# KiCad board bugg-panel-r3.kicad_pcb
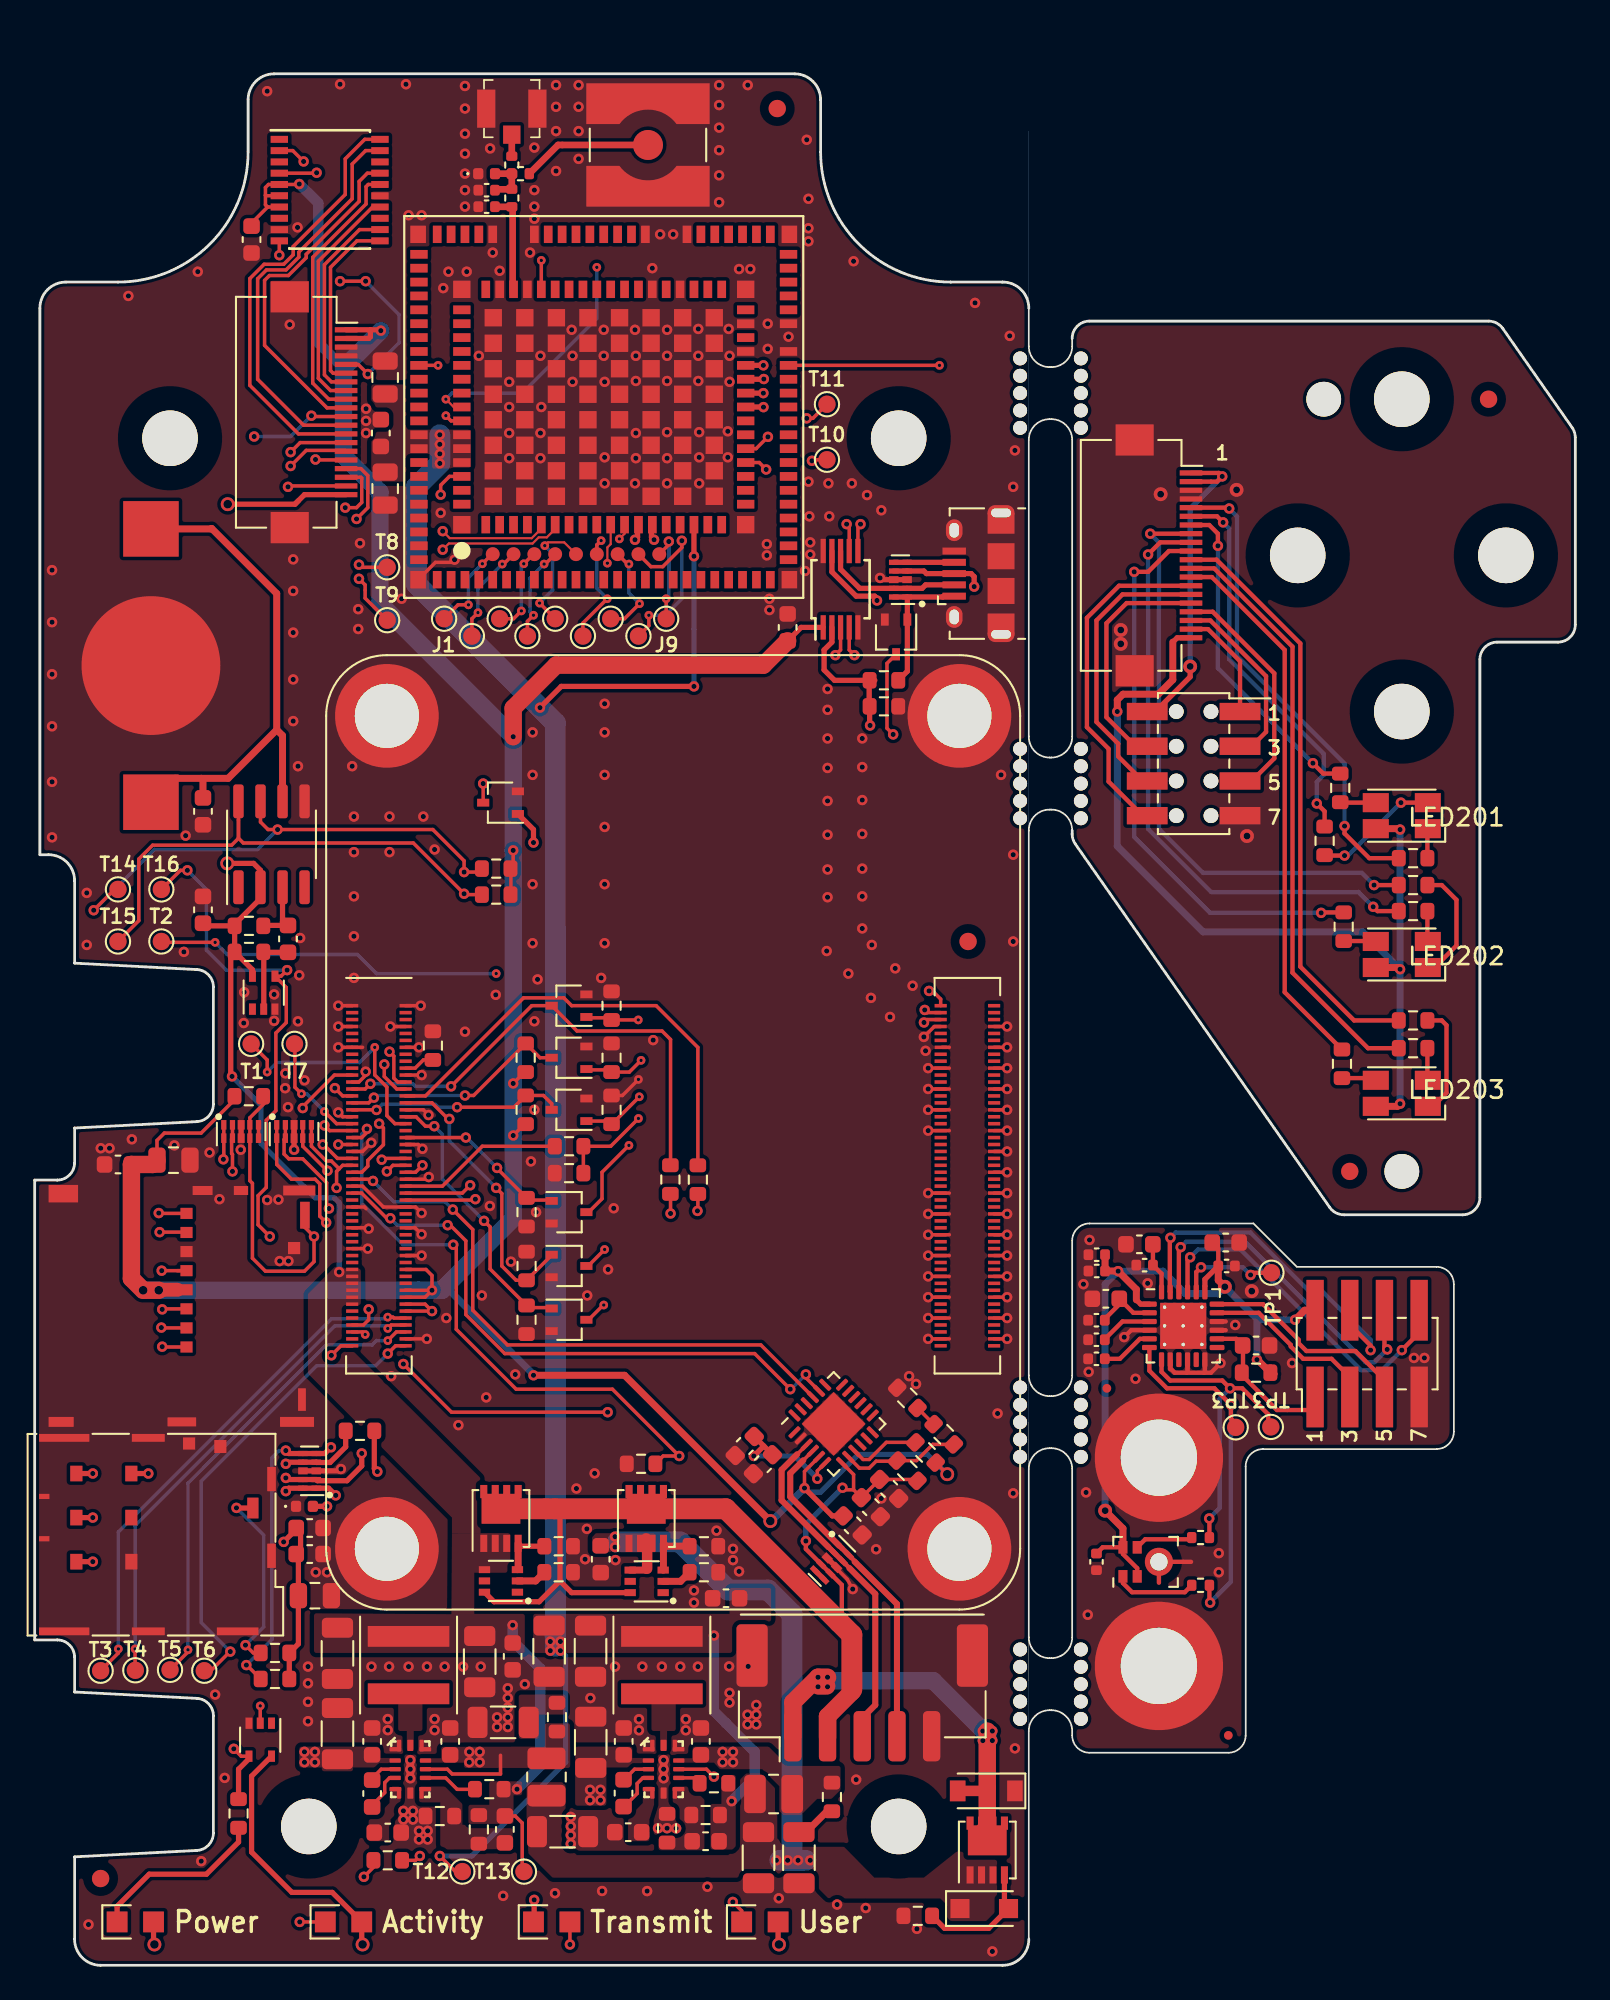
[diagram p0: board, top side]
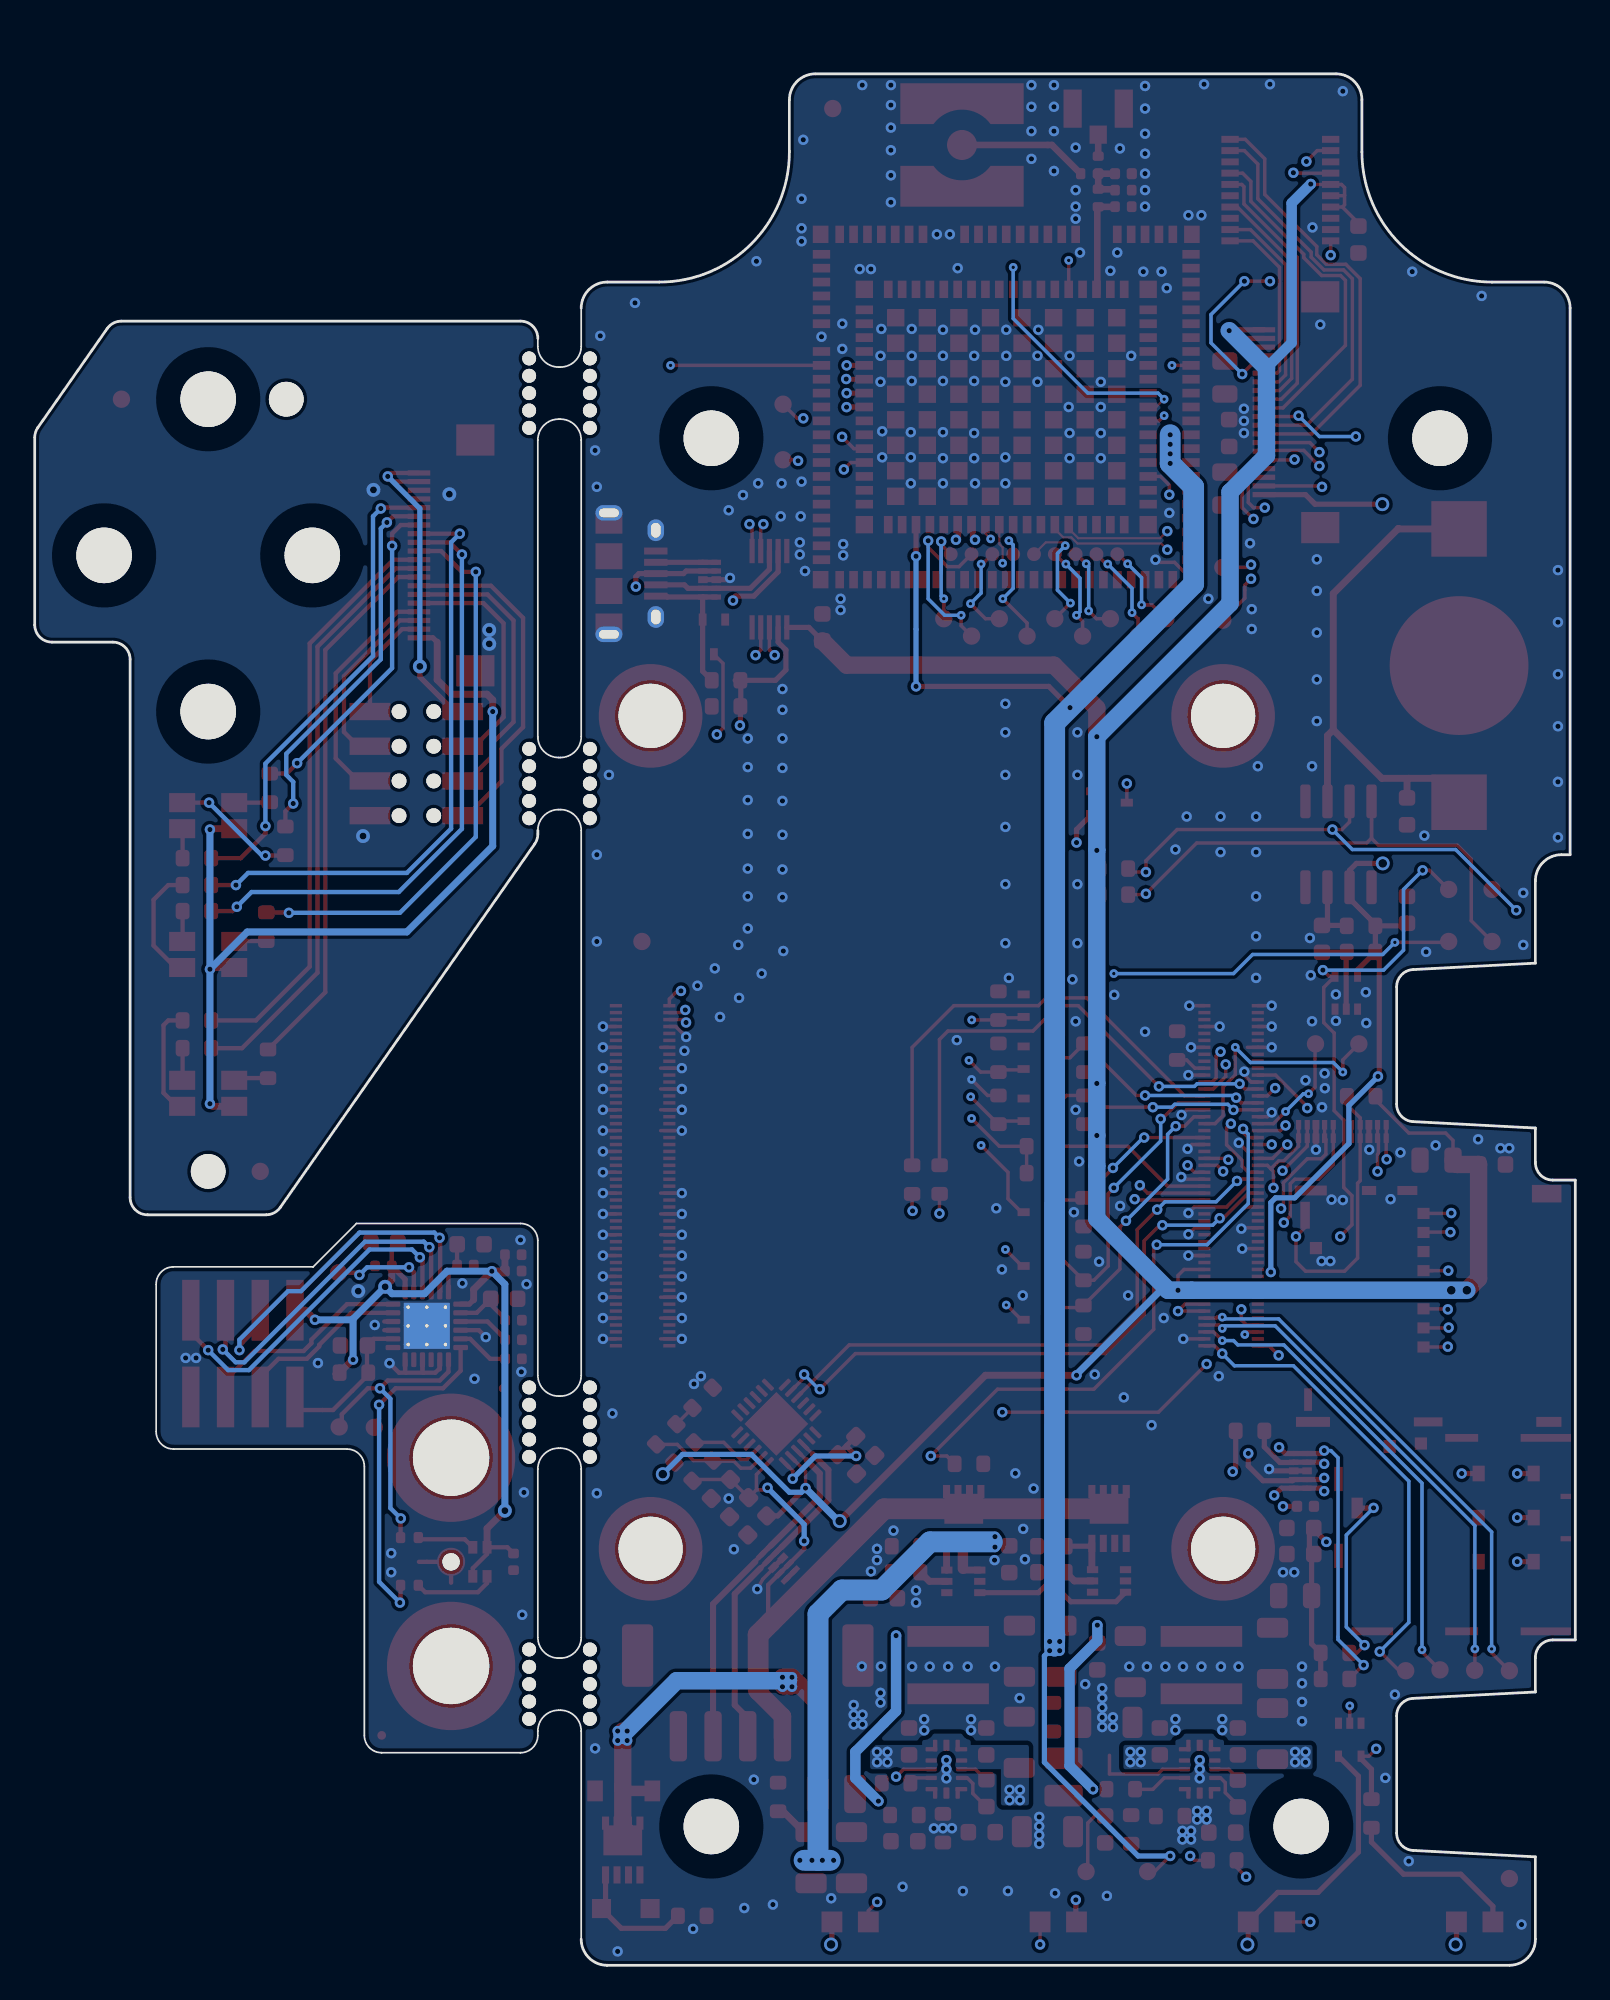
[diagram p1: board, bottom side, seen from below]

Outline 88.8 x 109 mm; copper layers: Top, In1.Cu (plane), In2.Cu, Bottom. Coordinates in mm from the lower left corner of the outline.
Outline path: 57.3,93.3 57.3,95.5 arc(56.86,96.56) 55.8,97 52.8,97 arc(47.5,99.2) 45.3,104.5 45.3,107.5 arc(44.86,108.56) 43.8,109 13.8,109 arc(12.74,108.56) 12.3,107.5 12.3,104.5 arc(10.1,99.2) 4.8,97 1.8,97 arc(0.74,96.56) 0.3,95.5 0.3,64 0.8,64 arc(1.86,63.56) 2.3,62.5 2.3,57.75 9.35,57.38 arc(10.03,57.07) 10.3,56.38 10.3,49.62 arc(10.02,48.93) 9.35,48.62 2.3,48.25 2.3,46.25 arc(2.01,45.54) 1.3,45.25 0,45.25 0,18.75 1.3,18.75 arc(2.01,18.46) 2.3,17.75 2.3,15.75 9.35,15.38 arc(10.03,15.07) 10.3,14.38 10.3,7.62 arc(10.02,6.93) 9.35,6.62 2.3,6.25 2.3,1.5 arc(2.74,0.44) 3.8,0 55.8,0 arc(56.86,0.44) 57.3,1.5 57.3,13.5 ; 57.3,70.8 57.3,87.9 ; 57.3,34 57.3,65.4 ; 57.3,18.9 57.3,28.6 ; 59.8,93.3 59.8,93.75 arc(60.09,94.46) 60.8,94.75 83.8,94.75 arc(84.26,94.64) 84.62,94.32 88.62,88.61 arc(88.75,88.34) 88.8,88.04 88.8,77.25 arc(88.51,76.54) 87.8,76.25 84.3,76.25 arc(83.59,75.96) 83.3,75.25 83.3,44.25 arc(83.01,43.54) 82.3,43.25 75.46,43.25 arc(75,43.36) 74.64,43.68 59.98,64.62 arc(59.85,64.89) 59.8,65.19 ; 59.8,70.8 59.8,87.9 ; 59.8,65.4 59.8,65.19 ; 59.8,34 59.8,41.75 arc(60.09,42.46) 60.8,42.75 70.25,42.75 72.75,40.25 80.8,40.25 arc(81.51,39.96) 81.8,39.25 81.8,30.75 arc(81.51,30.04) 80.8,29.75 70.8,29.75 arc(70.09,29.46) 69.8,28.75 69.8,13.25 arc(69.51,12.54) 68.8,12.25 60.8,12.25 arc(60.09,12.54) 59.8,13.25 59.8,13.5 ; 59.8,18.9 59.8,28.6
Stack: Top 0.035mm / dielectric 0.22mm FR4 er 4.5 / In1.Cu 0.035mm / dielectric 0.99mm FR4 er 4.5 / In2.Cu 0.035mm / dielectric 0.22mm FR4 er 4.5 / Bottom 0.035mm

## Placement (name value [footprint] x y rotation side)
BT1  CR1220  [Keystone-3000-CR1220-CR1216]  6.7 74.9 90 top
C1  220nF  [C_0603_1608Metric]  32.62 23.4 270 top
C2  4.7uF  [C_1206_3216Metric]  30.43 7.7 0 top
C3  220nF  [C_0603_1608Metric]  33.95 12.9 90 top
C4  220nF  [C_0603_1608Metric]  23.95 12.9 90 top
C5  4.7uF  [C_1206_3216Metric]  32.05 12.85 90 top
C6  4.7uF  [C_1206_3216Metric]  17.45 13.35 90 top
C7  1uF  [C_0603_1608Metric]  20.35 7.65 180 top
C8  1uF  [C_0603_1608Metric]  34.21 7.67 0 top
C9  100nF  [C_0603_1608Metric]  19.45 9.9 270 top
C10  100nF  [C_0603_1608Metric]  33.94 9.92 90 top
C11  18pF  [C_0603_1608Metric]  27.1 7.83 270 top
C12  15pF  [C_0603_1608Metric]  38.67 7.15 180 top
C13  47uF  [C_1206_3216Metric]  25.65 17.5 270 top
C14  47uF  [C_1206_3216Metric]  29.65 18.1 270 top
C15  47uF  [C_1206_3216Metric]  17.45 17.98 270 top
C16  47uF  [C_1206_3216Metric]  32.04 18.1 270 top
C17  100nF  [C_0603_1608Metric]  27.55 17.8 270 top
C18  100nF  [C_0603_1608Metric]  39.85 21.15 180 top
C19  DNP  [C_0402_1005Metric]  26.05 102.3 0 top
C20  DNP  [C_0402_1005Metric]  26.05 101.34 180 top
C21  15pF  [C_0603_1608Metric]  19.95 88.3 90 top
C22  47uF  [C_0805_2012Metric]  20.2 91.5 90 top
C23  47uF  [C_0805_2012Metric]  20.2 85.1 270 top
C24  DNP 4.7uF  [C_0805_2012Metric]  16.15 21.3 0 top
C26  100nF  [C_0603_1608Metric]  15.85 25.2 0 top
C28  1nF  [C_0603_1608Metric]  15.85 23.7 0 top
C29  47uF  [C_0805_2012Metric]  8 46.4 0 top
C30  100nF  [C_0603_1608Metric]  4.8 46.15 180 top
C31  1uF  [C_0603_1608Metric]  40.93 29.93 225 top
C32  100nF  [C_0603_1608Metric]  41.98 28.88 225 top
C33  100nF  [C_0603_1608Metric]  47.15 25.35 315 top
C34  100nF  [C_0603_1608Metric]  9.7 66.5 270 top
C35  100nF  [C_0603_1608Metric]  9.7 60.83 90 top
C36  100nF  [C_0603_1608Metric]  14.6 59.15 90 top
C37  100nF  [C_0603_1608Metric]  43.4 77.1 270 top
C38  100nF  [C_0603_1608Metric]  12.5 99.45 90 top
C39  100nF  [C_0603_1608Metric]  49.25 27.45 315 top
C40  1uF  [C_0603_1608Metric]  48.2 26.4 315 top
C41  220nF  [C_0603_1608Metric]  38.4 12.9 90 top
C42  220nF  [C_0603_1608Metric]  19.45 12.9 90 top
C43  4.7uF  [C_1206_3216Metric]  41.72 6.2 270 top
C44  4.7uF  [C_1206_3216Metric]  27 14 180 top
C45  4.7uF  [C_1206_3216Metric]  44.05 6.2 270 top
C101  100nF  [C_0402_1005Metric]  61.2 23.25 270 top
C102  1uF  [C_0402_1005Metric]  61.2 34.95 0 top
C103  1uF  [C_0402_1005Metric]  61.2 36.05 0 top
C104  10uF  [C_0603_1608Metric]  61.74 38.41 0 top
C105  100nF  [C_0402_1005Metric]  61.2 37.17 0 top
C106  1uF  [C_0402_1005Metric]  61.22 40.95 0 top
C107  100nF  [C_0402_1005Metric]  61.22 40.01 0 top
C108  10uF  [C_0603_1608Metric]  63.67 41.55 0 top
C109  100nF  [C_0402_1005Metric]  63.97 40.35 0 top
C110  10uF  [C_0603_1608Metric]  68.65 41.65 0 top
C111  100nF  [C_0402_1005Metric]  68.7 40.3 0 top
C112  1uF  [C_0603_1608Metric]  70.4 35.72 180 top
D1  LG R971-KN-1  [CHIPLED-0805]  17.8 2.5 0 top
D2  LH R974-LP-1  [CHIPLED-0805]  5.8 2.5 0 top
D3  LO R976-PS-1  [CHIPLED-0805]  29.8 2.5 0 top
D4  ATV02W360B-HF  [D_SOD-123]  54.85 10.05 180 top
D5  12V  [D_SOD-123F]  54.73 3.27 0 top
D6  0402ESDA-MLP1  [D_0402_1005Metric]  15.55 26.45 0 top
D7  LY R976-PS-36  [CHIPLED-0805]  41.8 2.5 0 top
D9  0402ESDA-MLP1  [D_0402_1005Metric]  26.05 103.25 0 top
FB1  1uH  [L_1008_2520Metric]  42.59 9.87 0 top
FB2  1uH  [L_1008_2520Metric]  29.5 10.85 90 top
FID1  Fiducial  [Fiducial_1mm_Mask2mm]  83.8 90.25 180 top
FID1#2  Fiducial  [Fiducial_1mm_Mask2mm]  42.8 107 0 top
FID1#3  Fiducial  [Fiducial_0.5mm_Mask1mm]  61.8 33.25 90 top
FID2  Fiducial  [Fiducial_1mm_Mask2mm]  75.8 45.75 180 top
FID2#2  Fiducial  [Fiducial_1mm_Mask2mm]  3.8 5 0 top
FID2#3  Fiducial  [Fiducial_0.5mm_Mask1mm]  68.8 13.25 90 top
FID3  Fiducial  [Fiducial_1mm_Mask2mm]  53.8 59 0 top
H1  -  [MountingHole_3.2mm_M3_DIN965]  7.8 88 0 top
H2  -  [MountingHole_3.2mm_M3_DIN965]  49.8 88 0 top
H3  -  [MountingHole_3.2mm_M3_DIN965]  49.8 8 0 top
H4  -  [MountingHole_3.2mm_M3_DIN965]  15.8 8 0 top
H101  wurth-spacer-WA-SMSI-9774070360  [Mounting_Wuerth_WA-SMSI-M3_H7mm_9774070360]  64.8 17.25 90 top
H102  wurth-spacer-WA-SMSI-9774070360  [Mounting_Wuerth_WA-SMSI-M3_H7mm_9774070360]  64.8 29.25 90 top
H201  -  [MountingHole_3.2mm_M3_DIN965]  72.8 81.25 180 bottom
H202  -  [MountingHole_3.2mm_M3_DIN965]  84.8 81.25 180 bottom
H203  -  [MountingHole_3.2mm_M3_DIN965]  78.8 90.25 180 bottom
H204  -  [MountingHole_3.2mm_M3_DIN965]  78.8 72.25 180 bottom
H205  MountingHole  [unnamed]  74.3 90.25 180 bottom
H206  MountingHole  [unnamed]  78.8 45.75 180 bottom
J1  -  [TestPoint_Pad_D1.0mm]  23.6 77.6 180 top
J2  -  [TestPoint_Pad_D1.0mm]  25.2 76.6 180 top
J3  -  [TestPoint_Pad_D1.0mm]  26.8 77.6 180 top
J4  -  [TestPoint_Pad_D1.0mm]  28.4 76.6 180 top
J5  -  [TestPoint_Pad_D1.0mm]  30 77.6 180 top
J6  -  [TestPoint_Pad_D1.0mm]  31.6 76.6 180 top
J7  -  [TestPoint_Pad_D1.0mm]  33.2 77.6 180 top
J8  -  [TestPoint_Pad_D1.0mm]  34.8 76.6 180 top
J9  -  [TestPoint_Pad_D1.0mm]  36.4 77.6 180 top
J10  502443-0560  [Molex_CLIK-Mate_502443-0570_1x05-1MP_P2.00mm_Vertical]  47.7 15.7 0 top
J11  SMA  [SMA_Amphenol_132134-10_Vertical]  35.35 104.9 180 top
J12  U_FL-R-SMT-1_10_  [Coax_Conn_U.FL]  27.5 107 0 top
J13  -  [JAE_SIM_Card_SF72S006]  4.86 25.8 90 top
J14  Micro_SD_Card_Det_JAE_ST11  [microSD_JAE_ST11S008V4H]  0.8 38 270 top
J15  10118194  [USB_Micro-B_Amphenol_10118194_Horizontal]  54.4 80.2 90 top
J16  FH12A-20S-0.5SH  [Hirose_FH12-20S-0.5SH_1x20-1MP_P0.50mm_Horizontal]  16.1 89.5 270 top
J101  2842142-4  [PinHeader_2x04_P2.00mm_Vertical_SMD_AMPMODU]  76.8 35.25 90 top
J201  2314844-8  [PinSocket_2x04_P2.00mm_Vertical_SMD_Bottom_or_Top_Entry_AMPMODU]  66.8 69.25 0 top
J202  FH12A-20S-0.5SH  [Hirose_FH12-20S-0.5SH_1x20-1MP_P0.50mm_Horizontal]  64.8 81.25 270 top
L1  4.7uH  [L_Coilcraft_XAL5030]  21.55 17.3 90 top
L2  3.3uH  [L_Coilcraft_XAL5030]  36.15 17.3 90 top
LED201  IN-P32TATRGB  [LED_Avago_PLCC4_3.2x2.8mm_CW]  78.8 66.25 180 top
LED202  IN-P32TATRGB  [LED_Avago_PLCC4_3.2x2.8mm_CW]  78.8 58.25 180 top
LED203  IN-P32TATRGB  [LED_Avago_PLCC4_3.2x2.8mm_CW]  78.8 50.25 180 top
MIC101  SPH0641LU4H-1  [Knowles_LGA-5_3.5x2.65mm]  64.03 23.25 90 top
Module1  ComputeModule4-CM4  [Raspberry-Pi-4-Compute-Module-no-holes]  20.3 24 0 top
Q1  Si7113ADN  [Vishay_PowerPAK_1212-8_Single]  26.88 25.75 90 top
Q2  Si7113ADN  [Vishay_PowerPAK_1212-8_Single]  35.25 25.75 90 top
Q3  Si7113ADN  [Vishay_PowerPAK_1212-8_Single]  54.91 6.64 90 top
Q4  NX3008NBKW  [SOT-323_SC-70]  49.65 76.55 270 top
Q5  NX3008NBKW  [SOT-323_SC-70]  30.8 37.2 0 top
Q6  NX3008NBKW  [SOT-323_SC-70]  30.8 40.3 0 top
Q7  NX3008NBKW  [SOT-323_SC-70]  30.8 43.4 0 top
Q8  NX3008NBKW  [SOT-323_SC-70]  26.85 67 180 top
Q9  NX3008NBKW  [SOT-323_SC-70]  30.8 55.3 180 top
Q10  NX3008NBKW  [SOT-323_SC-70]  30.8 49.3 180 top
Q11  NX3008NBKW  [SOT-323_SC-70]  30.8 52.3 180 top
R1  DNP  [R_0603_1608Metric]  26.6 61.7 0 top
R2  DNP  [R_0603_1608Metric]  26.6 63.2 0 top
R3  DNP  [R_0603_1608Metric]  22.95 53 90 top
R4  1k  [R_0603_1608Metric]  20.35 6.05 180 top
R5  1k  [R_0603_1608Metric]  11.75 8.75 270 top
R6  10k  [R_0603_1608Metric]  34.95 28.9 180 top
R7  100k  [R_0603_1608Metric]  30.2 22.65 0 top
R8  100k  [R_0603_1608Metric]  38.58 22.65 0 top
R9  1M  [R_0603_1608Metric]  30.2 24.15 0 top
R10  1M  [R_0603_1608Metric]  38.58 24.15 0 top
R11  100k  [R_0603_1608Metric]  50.9 2.85 180 top
R12  100k  [R_0603_1608Metric]  26.2 10.15 180 top
R13  100k  [R_0603_1608Metric]  39.15 10.49 180 top
R14  100k  [R_0603_1608Metric]  25.6 7.83 270 top
R15  23.7k  [R_0603_1608Metric]  23.35 8.6 180 top
R16  100k  [R_0603_1608Metric]  38.67 8.66 180 top
R17  37.4k  [R_0603_1608Metric]  36.45 7.9 90 top
R18  DNP  [R_0402_1005Metric]  28 103.25 180 top
R19  0R  [R_0402_1005Metric]  27.5 103.75 270 top
R20  0R  [R_0402_1005Metric]  27.5 101.84 270 top
R21  10k  [R_0603_1608Metric]  13.85 18 0 top
R22  DNP 15k  [R_0603_1608Metric]  13.85 16.5 0 top
R23  0R  [R_0603_1608Metric]  18.75 30.8 180 top
R24  100k  [R_0603_1608Metric]  12.34 50.08 180 top
R25  23.7k  [R_0603_1608Metric]  50.3 28.5 135 top
R26  23.7k  [R_0603_1608Metric]  52.4 30.6 135 top
R27  23.7k  [R_0603_1608Metric]  50.3 32.7 135 top
R28  1k  [R_0603_1608Metric]  51.35 29.55 135 top
R29  510k  [R_0603_1608Metric]  12.35 59.9 0 top
R30  510k  [R_0603_1608Metric]  12.35 58.4 0 top
R31  1k  [R_0603_1608Metric]  48.95 74.05 0 top
R32  1k  [R_0603_1608Metric]  48.95 72.55 0 top
R33  10k  [R_0603_1608Metric]  28.35 37.2 270 top
R34  1k  [R_0603_1608Metric]  38.23 45.27 270 top
R35  0.1R  [R_0603_1608Metric]  30.1 14.3 90 top
R36  0.1R  [R_0603_1608Metric]  45.95 9.7 270 top
R37  10k  [R_0603_1608Metric]  28.35 40.3 90 top
R38  10k  [R_0603_1608Metric]  28.35 43.4 270 top
R39  10k  [R_0603_1608Metric]  30.8 47.2 0 top
R40  10k  [R_0603_1608Metric]  30.8 45.65 0 top
R41  10k  [R_0603_1608Metric]  33.25 49.3 90 top
R42  10k  [R_0603_1608Metric]  33.25 52.3 90 top
R43  10k  [R_0603_1608Metric]  33.25 55.3 90 top
R44  1k  [R_0603_1608Metric]  36.64 45.28 90 top
R45  10k  [R_0603_1608Metric]  28.3 49.3 90 top
R46  10k  [R_0603_1608Metric]  28.3 52.3 90 top
R101  22R  [R_0402_1005Metric]  67.2 21.9 0 top
R102  22R  [R_0402_1005Metric]  67.2 24.65 0 top
R103  100k  [R_0603_1608Metric]  70.4 34.15 0 top
R201  22k  [R_0603_1608Metric]  75.25 67.85 270 top
R202  22k  [R_0603_1608Metric]  75.45 59.85 270 top
R203  22k  [R_0603_1608Metric]  75.35 51.95 270 top
R204  39k  [R_0603_1608Metric]  74.35 64.8 270 top
R205  39k  [R_0603_1608Metric]  79.45 60.75 0 top
R206  39k  [R_0603_1608Metric]  79.45 52.85 0 top
R207  10k  [R_0603_1608Metric]  79.45 63.8 0 top
R208  10k  [R_0603_1608Metric]  79.45 62.25 0 top
R209  10k  [R_0603_1608Metric]  79.45 54.45 0 top
REF**  -  [mousebite-2.5mm]  59.8 31.3 90 top
REF**#2  -  [mousebite-2.5mm]  59.8 16.2 90 top
REF**#3  -  [mousebite-2.5mm]  59.8 90.6 90 top
REF**#4  -  [mousebite-2.5mm]  59.8 68.1 90 top
SP1  wurth-spacer-9774030151R  [wurth-spacer-WA-SMSI-9774030151R]  20.3 72 0 top
SP2  wurth-spacer-9774030151R  [wurth-spacer-WA-SMSI-9774030151R]  53.3 72 0 top
SP3  wurth-spacer-9774030151R  [wurth-spacer-WA-SMSI-9774030151R]  53.3 24 0 top
SP4  wurth-spacer-9774030151R  [wurth-spacer-WA-SMSI-9774030151R]  20.3 24 0 top
T1  -  [TestPoint_Pad_D1.0mm]  12.48 53.1 0 top
T2  -  [TestPoint_Pad_D1.0mm]  7.3 59 0 top
T3  -  [TestPoint_Pad_D1.0mm]  3.8 16.98 0 top
T4  -  [TestPoint_Pad_D1.0mm]  5.8 17 0 top
T5  -  [TestPoint_Pad_D1.0mm]  7.8 17.02 0 top
T6  -  [TestPoint_Pad_D1.0mm]  9.78 16.98 0 top
T7  -  [TestPoint_Pad_D1.0mm]  14.98 53.1 0 top
T8  -  [TestPoint_Pad_D1.0mm]  20.32 80.56 0 top
T9  -  [TestPoint_Pad_D1.0mm]  20.32 77.51 0 top
T10  -  [TestPoint_Pad_D1.0mm]  45.67 86.76 0 top
T11  -  [TestPoint_Pad_D1.0mm]  45.67 89.96 0 top
T12  -  [TestPoint_Pad_D1.0mm]  24.65 5.4 0 top
T13  -  [TestPoint_Pad_D1.0mm]  28.2 5.4 0 top
T14  -  [TestPoint_Pad_D1.0mm]  4.8 62 0 top
T15  -  [TestPoint_Pad_D1.0mm]  4.8 59 0 top
T16  -  [TestPoint_Pad_D1.0mm]  7.3 62 0 top
TP101  TestPoint  [TestPoint_Pad_D1.0mm]  71.29 39.91 90 top
TP102  TestPoint  [TestPoint_Pad_D1.0mm]  69.22 31 90 top
TP103  TestPoint  [TestPoint_Pad_D1.0mm]  71.25 31.02 90 top
U1  74LVC1G07DCK  [SOT-353_SC-70-5]  13 13 270 top
U2  ESD7004  [USON-10_2.5x1.0mm_P0.5mm]  45.95 23.2 315 top
U3  DZDH0401DW  [SOT-363_SC-70-6]  26.88 22.15 180 top
U4  DZDH0401DW  [SOT-363_SC-70-6]  35.27 22.12 180 top
U5  LM60440DRPK  [WQFN-HR-13]  21.65 11.3 0 top
U6  LM60440DRPK  [WQFN-HR-13]  36.25 11.3 0 top
U7  Sierra_Wireless_RC7620  [Cellular_Modem-Sierra-Wireless-module-CF3-ringCD]  32.8 89.8 90 top
U8  ESD7004  [USON-10_2.5x1.0mm_P0.5mm]  15.85 28.49 180 top
U9  PCF8574PW  [SSOP-20_4.4x6.5mm_P0.65mm]  17 102.3 0 top
U10  ESD7004  [USON-10_2.5x1.0mm_P0.5mm]  14.95 48.05 90 top
U11  ESD7004  [USON-10_2.5x1.0mm_P0.5mm]  11.9 48.05 90 top
U12  CP2102N-Axx-xQFN24  [QFN-24-1EP_4x4mm_P0.5mm_EP2.6x2.6mm]  46.05 31.2 45 top
U13  DS3231MZ  [SOIC-8_3.9x4.9mm_P1.27mm]  13.65 64.6 90 top
U14  74LVC1G07DCK  [SOT-353_SC-70-5]  13.2 56.05 90 top
U15  FSUSB42MX  [MSOP-10_3x3mm_P0.5mm]  46.45 79.3 90 top
U16  ESD7004  [USON-10_2.5x1.0mm_P0.5mm]  49.9 79.85 180 top
U101  PCMD3180  [QFN-24-1EP_4x4mm_P0.5mm_EP2.65x2.65mm_ThermalVias]  66.2 36.85 0 top

## Library data of the parts
J12 = -: Description: CONN U.FL RCPT STR 50 OHM SMD; Category: Connectors, Interconnects; DK_Datasheet_Link: https://www.hirose.com/product/en/download_file/key_name/U.FL-R-SMT-1%2810%29/category/Drawing%20(2D)/doc_file_id/37627/?file_category_id=6&item_id=03310472210&is_series=U.FL-R-SMT-1(10; DK_Detail_Page: /product-detail/en/hirose-electric-co-ltd/U.FL-R-SMT-1(10)/H11891CT-ND/2504612; Digi-Key_PN: H11891CT-ND; Family: Coaxial Connectors (RF); MPN: U.FL-R-SMT-1(10); Manufacturer: Hirose Electric Co Ltd; Status: Active
Module1 = -: Field4: Hirose; Field5: 2x DF40C-100DS-0.4V
U7 = -: MANUFACTURER: Sierra Wireliess

## Footprints (pads in the part's own frame, mm; a bottom-side part is the same pattern mirrored in y, then rotated)
C_0402_1005Metric
  rrect 0.56x0.62 smd: 1(-0.48,0) 2(0.48,0)
C_0603_1608Metric
  rrect 0.9x0.95 smd: 1(-0.775,0) 2(0.775,0)
C_0805_2012Metric
  rrect 1x1.45 smd: 1(-0.95,0) 2(0.95,0)
C_1206_3216Metric
  rrect 1.15x1.8 smd: 1(-1.475,0) 2(1.475,0)
Cellular_Modem-Sierra-Wireless-module-CF3-ringCD
  rect 1x0.5 smd: 1(-6.78,6.8) 2(-6.78,6) 3(-6.78,5.2) 4(-6.78,4.4) 5(-6.78,3.6) 6(-6.78,2.8) 7(-6.78,2) 8(-6.78,1.2) 9(-6.78,0.4) 10(-6.78,-0.4) 11(-6.78,-1.2) 12(-6.78,-2) 13(-6.78,-2.8) 14(-6.78,-3.6) 15(-6.78,-4.4) 16(-6.78,-5.2) 17(-6.78,-6) 18(-6.78,-6.8) 34(6.78,-6.8) 35(6.78,-6) 36(6.78,-5.2) 37(6.78,-4.4) 38(6.78,-3.6) 39(6.78,-2.8) 40(6.78,-2) 41(6.78,-1.2) 42(6.78,-0.4) 43(6.78,0.4) 44(6.78,1.2) 45(6.78,2) 46(6.78,2.8) 47(6.78,3.6) 48(6.78,4.4) 49(6.78,5.2) 50(6.78,6) 51(6.78,6.8) 71(-9.95,9.6) 72(-9.95,8.8) 73(-9.95,8) 74(-9.95,7.2) 75(-9.95,6.4) 76(-9.95,5.6) 77(-9.95,4.8) 78(-9.95,4) 79(-9.95,3.2) 80(-9.95,2.4) 81(-9.95,1.6) 82(-9.95,0.8) 83(-9.95,0) 84(-9.95,-0.8) 85(-9.95,-1.6) 86(-9.95,-2.4) 87(-9.95,-3.2) 88(-9.95,-4) 89(-9.95,-4.8) 90(-9.95,-5.6) 91(-9.95,-6.4) 92(-9.95,-7.2) 93(-9.95,-8) 94(-9.95,-8.8) 95(-9.95,-9.6) 119(9.95,-9.6) 120(9.95,-8.8) 121(9.95,-8) 122(9.95,-7.2) 123(9.95,-6.4) 124(9.95,-5.6) 125(9.95,-4.8) 128(9.95,-2.4) 129(9.95,-1.6) 130(9.95,-0.8) 131(9.95,0) 132(9.95,0.8) 133(9.95,1.6) 134(9.95,2.4) 135(9.95,3.2) 136(9.95,4) 139(9.95,6.4) 140(9.95,7.2) 141(9.95,8) 142(9.95,8.8) 143(9.95,9.6)
  rect 0.5x1 smd: 19(-5.6,-8.18) 20(-4.8,-8.18) 21(-4,-8.18) 22(-3.2,-8.18) 23(-2.4,-8.18) 24(-1.6,-8.18) 25(-0.8,-8.18) 26(0,-8.18) 27(0.8,-8.18) 28(1.6,-8.18) 29(2.4,-8.18) 30(3.2,-8.18) 31(4,-8.18) 32(4.8,-8.18) 33(5.6,-8.18) 52(5.6,8.18) 53(4.8,8.18) 54(4,8.18) 55(3.2,8.18) 56(2.4,8.18) 57(1.6,8.18) 58(0.8,8.18) 59(0,8.18) 60(-0.8,8.18) 61(-1.6,8.18) 62(-2.4,8.18) 63(-3.2,8.18) 64(-4,8.18) 65(-4.8,8.18) 66(-5.6,8.18) 96(-8.8,-10.65) 97(-8,-10.65) 98(-7.2,-10.65) 99(-6.4,-10.65) 100(-5.6,-10.65) 101(-4.8,-10.65) 102(-4,-10.65) 103(-3.2,-10.65) 104(-2.4,-10.65) 105(-1.6,-10.65) 106(-0.8,-10.65) 107(0,-10.65) 108(0.8,-10.65) 109(1.6,-10.65) 110(2.4,-10.65) 111(3.2,-10.65) 113(4.8,-10.65) 114(5.6,-10.65) 115(6.4,-10.65) 116(7.2,-10.65) 117(8,-10.65) 118(8.8,-10.65) 144(8.8,10.65) 145(8,10.65) 146(7.2,10.65) 147(6.4,10.65) 148(5.6,10.65) 149(4.8,10.65) 150(4,10.65) 151(3.2,10.65) 152(2.4,10.65) 153(1.6,10.65) 154(0.8,10.65) 155(0,10.65) 156(-0.8,10.65) 157(-1.6,10.65) 158(-2.4,10.65) 159(-3.2,10.65) 160(-4,10.65) 161(-4.8,10.65) 162(-5.6,10.65) 163(-6.4,10.65) 164(-7.2,10.65) 165(-8,10.65) 166(-8.8,10.65)
  rect 1x1 smd: 67(-6.78,8.18) 68(-6.78,-8.18) 69(6.78,-8.18) 70(6.78,8.18) 171(-5.145,6.37) 172(-3.675,6.37) 173(-2.205,6.37) 174(-0.735,6.37) 175(0.735,6.37) 176(2.205,6.37) 177(3.675,6.37) 178(5.145,6.37) 179(5.145,4.55) 180(5.145,2.73) 181(5.145,0.91) 182(5.145,-0.91) 183(5.145,-2.73) 184(5.145,-4.55) 185(5.145,-6.37) 186(3.675,-6.37) 187(2.205,-6.37) 188(0.735,-6.37) 189(-0.735,-6.37) 190(-2.205,-6.37) 191(-3.675,-6.37) 192(-5.145,-6.37) 193(-5.145,-4.55) 194(-5.145,-2.73) 195(-5.145,-0.91) 196(-5.145,0.91) 197(-5.145,2.73) 198(-5.145,4.55) 199(-3.675,4.55) 200(-2.205,4.55) 201(-0.735,4.55) 202(0.735,4.55) 203(2.205,4.55) 204(3.675,4.55) 205(3.675,2.73) 206(3.675,0.91) 207(3.675,-0.91) 208(3.675,-2.73) 209(3.675,-4.55) 210(2.205,-4.55) 211(0.735,-4.55) 212(-0.735,-4.55) 213(-2.205,-4.55) 214(-3.675,-4.55) 215(-3.675,-2.73) 216(-3.675,-0.91) 217(-3.675,0.91) 218(-3.675,2.73) 219(-2.205,2.73) 220(-0.735,2.73) 221(0.735,2.73) 222(2.205,2.73) 223(2.205,0.91) 224(2.205,-0.91) 225(2.205,-2.73) 226(0.735,-2.73) 227(-0.735,-2.73) 228(-2.205,-2.73) 229(-2.205,-0.91) 230(-2.205,0.91) 231(-0.735,0.91) 232(0.735,0.91) 233(0.735,-0.91) 234(-0.735,-0.91)
  rect 1x0.9 smd: 167(-9.95,10.7) 168(-9.95,-10.7) 169(9.95,-10.7) 170(9.95,10.7)
  round 0.8 smd: 236(-8.48,6.4) 237(-8.48,5.2) 238(-8.48,4) 239(-8.48,2.8) 240(-8.48,1.6) 241(-8.48,0.4) 242(-8.48,-0.8) 243(-8.48,-2) 244(-8.48,-3.2)
CHIPLED-0805
  rect 1.2x1.2 smd: 1(-1.05,0) 2(1.05,0)
Coax_Conn_U.FL
  rect 1.05x2.2 smd: 1(-1.475,0) 1(1.475,0)
  rect 1x1.05 smd: 2(0,-1.5)
D_0402_1005Metric
  rrect 0.59x0.64 smd: 1(-0.485,0) 2(0.485,0)
D_SOD-123
  rect 0.9x1.2 smd: 1(-1.65,0) 2(1.65,0)
D_SOD-123F
  rect 1.1x1.1 smd: 1(-1.4,0) 2(1.4,0)
Fiducial_0.5mm_Mask1mm
  round 0.5 smd: (0,0)
Fiducial_1mm_Mask2mm
  round 1 smd: (0,0)
Hirose_FH12-20S-0.5SH_1x20-1MP_P0.50mm_Horizontal
  rect 0.3x1.3 smd: 1(-4.75,1.85) 2(-4.25,1.85) 3(-3.75,1.85) 4(-3.25,1.85) 5(-2.75,1.85) 6(-2.25,1.85) 7(-1.75,1.85) 8(-1.25,1.85) 9(-0.75,1.85) 10(-0.25,1.85) 11(0.25,1.85) 12(0.75,1.85) 13(1.25,1.85) 14(1.75,1.85) 15(2.25,1.85) 16(2.75,1.85) 17(3.25,1.85) 18(3.75,1.85) 19(4.25,1.85) 20(4.75,1.85)
  rect 1.8x2.2 smd: MP(-6.65,-1.4) MP(6.65,-1.4)
JAE_SIM_Card_SF72S006
  rect 0.9x0.7 smd: C1(-2.54,2.46) C2(0,2.46) C3(2.54,2.46) C5(-2.54,-0.71) C6(0,-0.71) C7(2.54,-0.71)
  rect 0.7x0.7 smd: CSW(4.27,-4.04)
  rect 1.2x0.65 smd: DSW(0.55,-7.715)
  rect 0.45x2.9 smd: SH(-6.555,3.16) SH(4.595,3.16)
  rect 0.45x1.9 smd: SH(-6.555,-1.69) SH(4.595,-1.69)
  rect 0.45x2.4 smd: SH(-6.555,-6.84)
  rect 1.4x0.5 smd: SH(-2.2,-8.79) SH(2.22,-8.79)
  rect 0.3x0.6 smd: SH(-1.22,4.31) SH(1.22,4.31)
  rect 0.75x0.7 smd: SH(4.095,-5.84)
Keystone-3000-CR1220-CR1216
  rect 3.2x3.2 smd: 1(-7.875,0) 1(7.875,0)
  round 8 smd: 2(0,0)
Knowles_LGA-5_3.5x2.65mm
  round 1 hole 1 unplated: (0,-0.77)
  rect 0.725x0.522 smd: 1(-0.838,1.304) 2(-0.838,0.482) 4(0.838,0.482) 5(0.838,1.304)
  custom 1.625x1.625 smd: 3(0,-1.433)
L_1008_2520Metric
  rrect 1.25x2.2 smd: 1(-1.075,0) 2(1.075,0)
L_Coilcraft_XAL5030
  rect 1.2x4.7 smd: 1(-1.655,0) 2(1.655,0)
LED_Avago_PLCC4_3.2x2.8mm_CW
  rect 1.5x1.1 smd: 1(-1.5,0.75) 2(1.5,0.75) 3(1.5,-0.75) 4(-1.5,-0.75)
microSD_JAE_ST11S008V4H
  rect 0.64x0.7 smd: 1(2.37,7.95) 2(1.27,7.95) 3(0.17,7.95) 4(-0.93,7.95) 5(-2.03,7.95) 6(-3.13,7.95) 7(-4.23,7.95) 8(-5.33,7.95)